# Allegro board reComputer Industrial J201_V1.2.brd (continued)
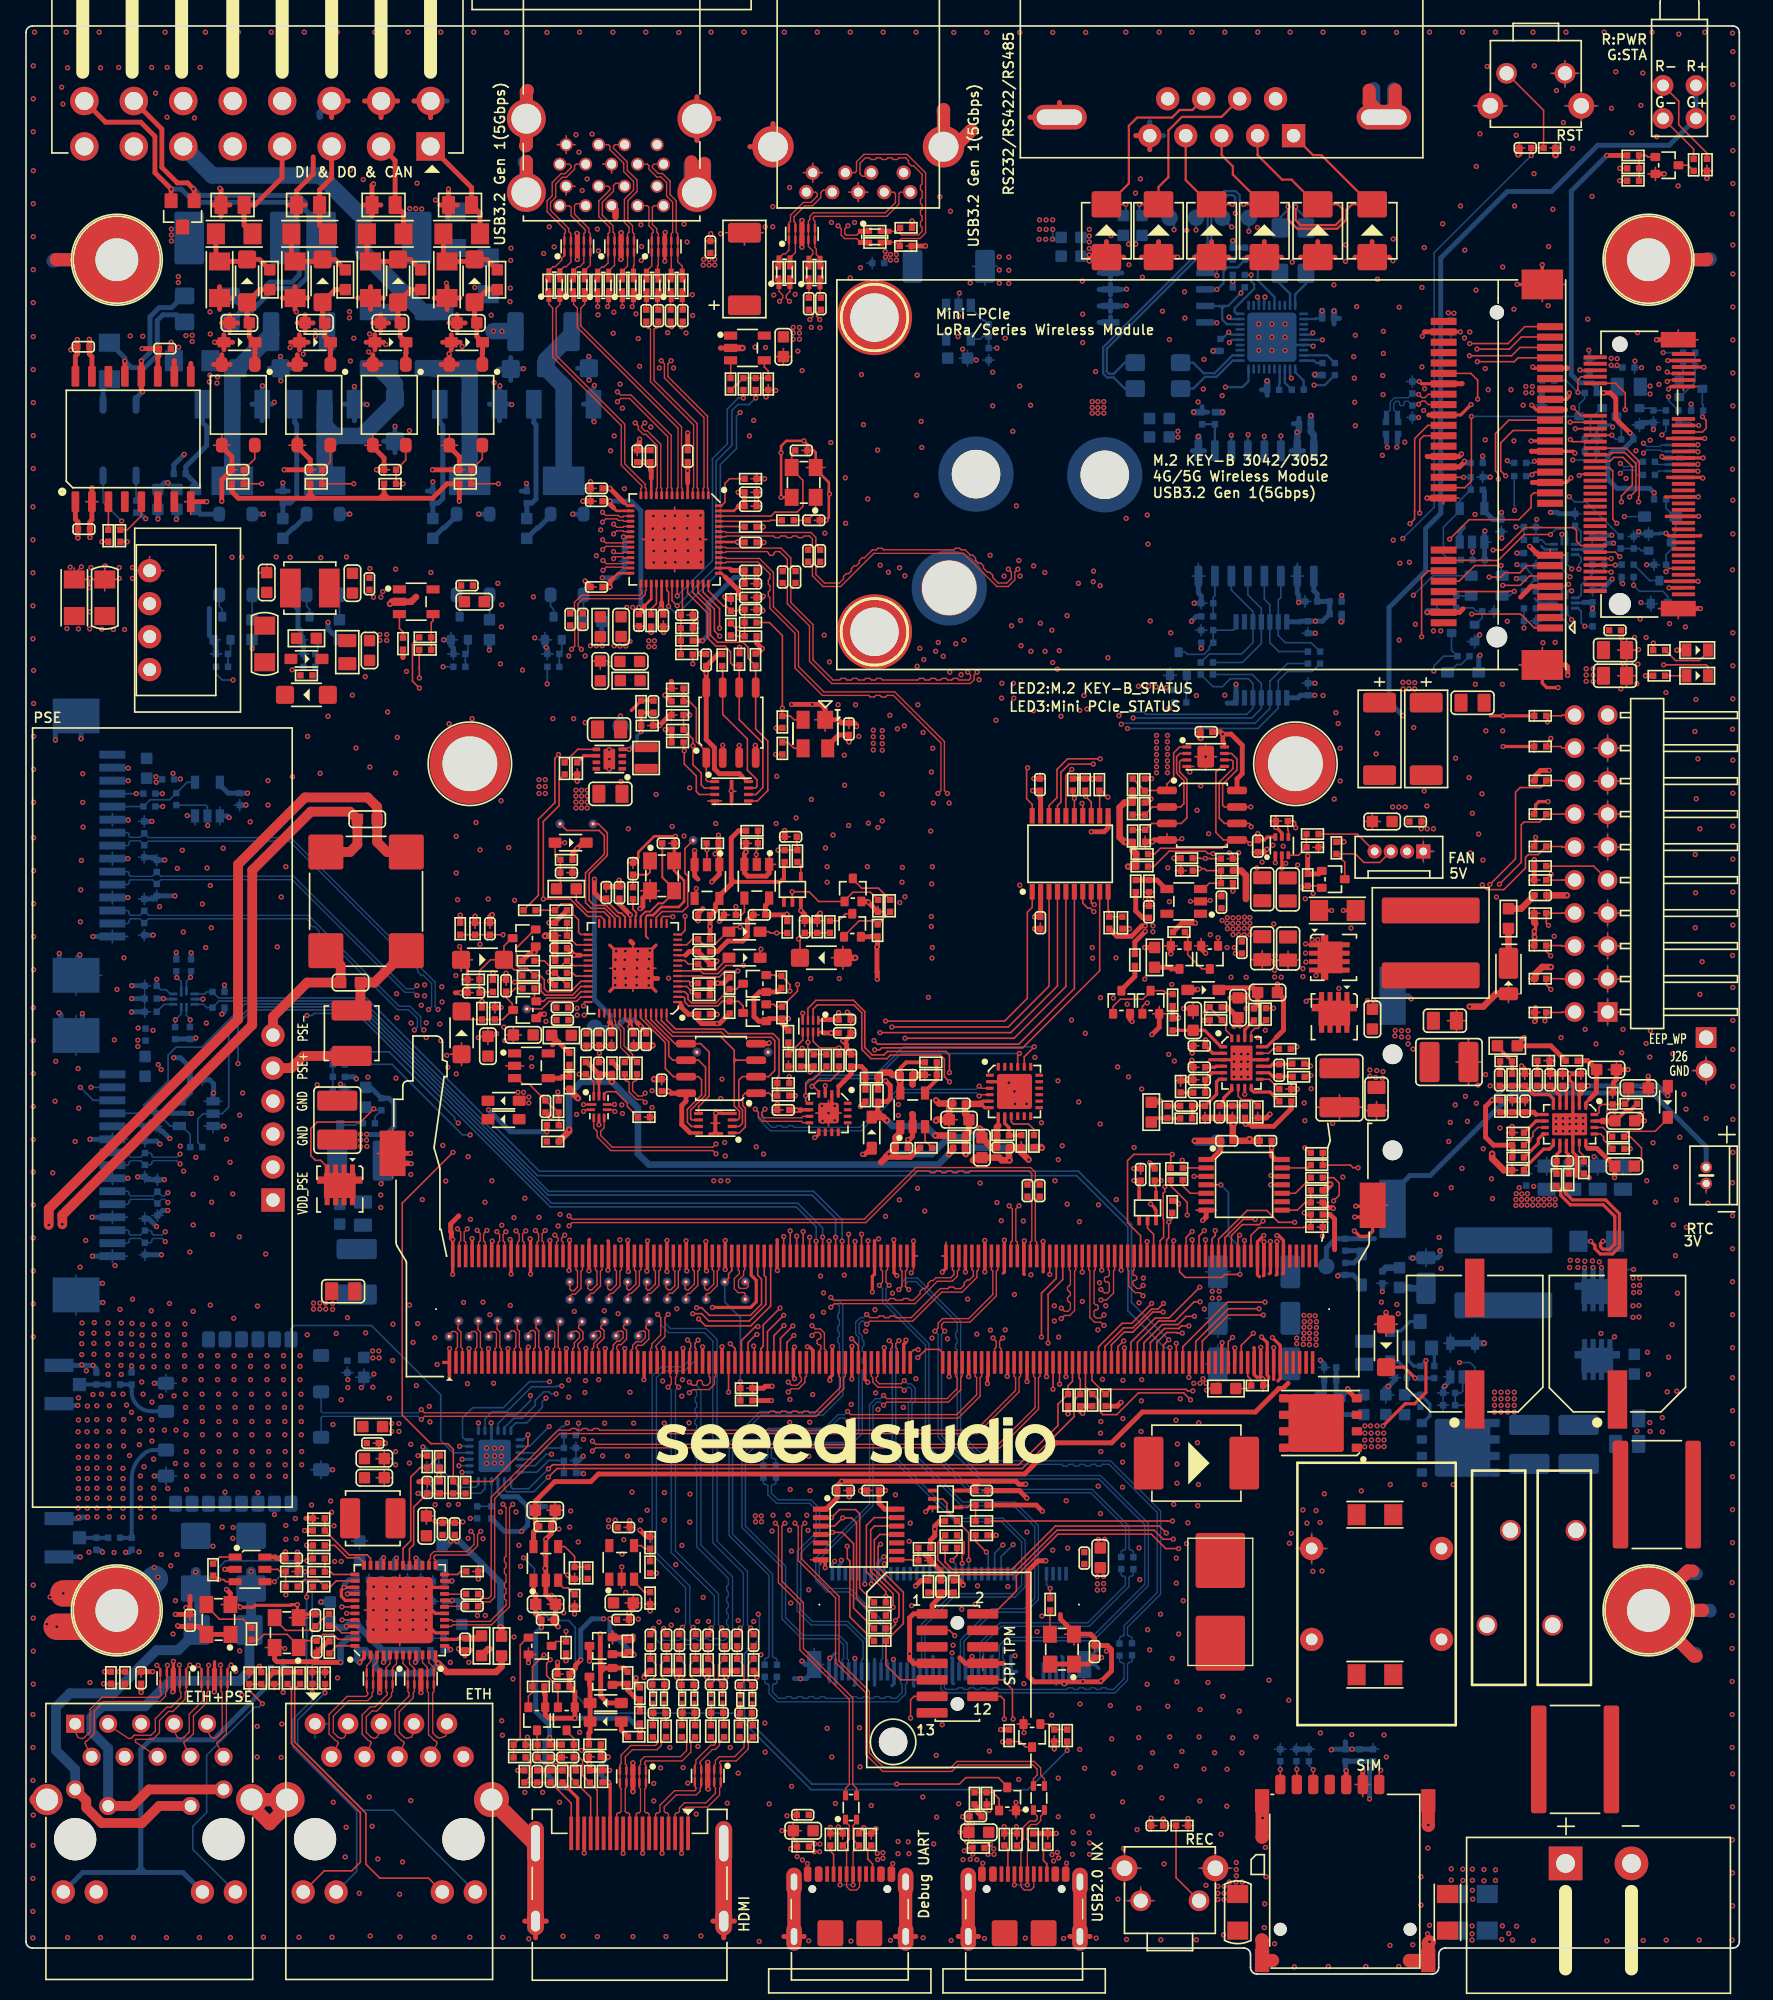
[diagram p0: board, top side]
## Routing (per net, layer and track width the routed paths; a pad name or vN(x,y) marks a point on that pad's centre or on a via; arc(x,y) is an arc through that point) (continued)
  TOP w0.508: R102.1 93.62,84.96 93.98,84.6 93.98,82.77
  LAY3 w0.254: v1(98.99,69.18) 98.61,69.18 98.35,69.44 98.35,70.56 99.17,71.37 99.17,75.64 100.84,77.31 100.84,81.63 100.59,81.88 v1(100.59,81.89)
  LAY4 w0.381: v1(11.69,26.82) 17.63,26.82 v1(20.02,29.2)
  PWR05 w0.381: v1(9.22,112.06) 9.22,110.59 13.64,106.17 14.94,106.17 ; 15.02,105.66 13.42,105.66 9.4,109.67 4.9,109.67 v1(4,110.57) ; v1(11.59,112.01) 11.59,108.91 13.85,106.65 14.94,106.65
  BOTTOM w0.127: v1(122.13,123.87) 122.3,123.7 C208.1
  BOTTOM w0.203: U51.21 36.36,37.1 36.71,36.75 ; 120,105.62 119.94,105.57 U46.9 ; U48.9 10.63,75.07 v1(10.59,75.11) ; U45.9 120,109.69
  BOTTOM w0.254: J21.18 v1(66.13,31.59) ; J21.16 65.63,31.66 v1(66.09,32.13) ; J21.2 62.13,31.62 v1(62.29,31.78) ; v1(62.82,31.86) 62.82,31.66 62.63,31.47 J21.4 ; J21.12 v1(64.63,30.02) ; J21.14 v1(65.13,30.03)
  BOTTOM w0.381: 8.49,7.82 4.37,7.82 J13.15 ; 8.49,7.82 8.84,8.17 ; 8.49,7.82 8.87,7.82 ; v1(42.96,38.53) 42.91,38.57 R380.1 ; v1(113.67,112.54) C293.1 113.03,111.99 112.36,112.66 U53.5 112.36,114.16 R325.1 ; R309.2 v1(112.23,116.89) ; v1(122.3,110.18) 121.78,110.18 121.3,109.69 C221.1 120,109.69 ; R412.1 25.3,69.08 v1(25.45,68.93) ; v1(15.09,73.91) 15.29,74.11 R362.1 ; J13.17 12.1,7.82 9.2,7.82 ; C271.1 24.89,30.36 24.51,29.98 v1(24.51,29.77) ; 8.84,8.17 8.84,7.84 8.87,7.82 ; 8.84,8.17 8.84,17.29 9.58,18.03 14.43,18.03 18.7,22.3 v1(18.7,22.91) 18.87,23.08 C183.1 ; 8.84,8.17 9.2,7.82 ; v1(9.22,112.06) 8.75,112.53 R318.1 ; R359.1 v1(11.58,78.66) ; v1(30.05,32.02) 30.41,31.66 C268.1 C269.1 ; C231.1 v1(10.59,75.11) ; v1(13.08,72.08) 13,71.99 R364.1 R365.1 ; v1(27.55,32.06) 27.37,31.88 C267.1 ; 8.87,7.82 9.2,7.82 ; v1(23.27,104.08) 23.27,103.55 23.57,103.25 23.65,103.25 R342.1 ; v1(17.07,90.93) C296.1 15.58,90.93 14.93,91.57 U55.5 ; 36.71,36.75 37.9,36.75 C260.1 38.65,34.55 v1(38.18,34.08) 36.86,34.08 R382.1 ; U56.5 12.01,67.2 12.65,67.84 C297.1 12.65,69.81 11.9,70.56 v1(11.38,70.56) ; v1(11.59,112.01) 11.63,112.05 R404.1 ; v1(31.83,38.43) 31.83,38.37 31.8,38.35 R384.1 ; v1(87.86,99.05) 88.05,98.87 R445.1 ; 120,105.62 C224.1 v1(120.69,105.15) R339.2 ; v1(17.43,102.08) 17.43,102.33 17.41,102.35 R343.1 ; R340.1 44.36,102.32 v1(44.4,102.28) ; R358.1 v1(12.72,78.64) ; R341.1 v1(35.7,101.94) ; R385.1 30.88,40.29 v1(30.59,40.58) ; R361.1 v1(15.29,76.15)
  vias: v1(8.61,71.9) v1(8.61,71.42) v1(10.01,92.2) v1(10.04,91.77) v1(23.78,31.77) v1(24.29,31.77) v1(26.7,47.98) v1(26.72,47.44) v1(27.18,47.98) v1(27.21,47.44) v1(43.49,102.28) v1(43.95,102.28) v1(44.89,34.95) v1(44.89,34.44) v1(45.39,34.95) v1(82.54,30.6) v1(82.54,30.04) v1(82.54,29.56) v1(83.02,30.63) v1(83.02,30.07) v1(83.02,29.59) v1(92.16,81.12) v1(92.56,81.35) v1(92.54,80.92) v1(92.56,80.49) v1(92.99,81.33) v1(92.97,80.89) v1(92.99,80.46) v1(92.99,80.03) v1(93.4,80.92) v1(93.43,81.35) v1(93.43,80.49) v1(93.43,80.03) v1(93.88,81.38) v1(93.86,80.94) v1(93.86,80.51) v1(93.86,80.03) v1(94.29,81.35) v1(94.29,80.92) v1(94.29,80.49) v1(94.29,80.03) v1(106.07,99.46) v1(106.1,98.95) v1(106.53,99.46) v1(106.56,98.95) v1(106.99,99.44) v1(106.99,98.95) v1(108.44,103.42) v1(109,103.42) v1(109.58,127.91) v1(110.01,127.88) v1(115.55,122.25) v1(115.55,121.76) v1(116.06,122.25) v1(116.03,121.76) v1(120.2,100.5) v1(120.2,100.02) v1(120.2,99.54) v1(120.73,100.5) v1(120.73,100.02) v1(120.73,99.54) v1(122.13,124.4) v1(122.58,124.38) v1(122.58,123.87)
VDD_5V0_HDMI_CON: length 23.9
  TOP w0.254: v1(41.71,14.35) 42.51,13.55 J16.18
  TOP w0.381: v1(41.71,14.35) 41.34,14.71 D50.2 ; R269.1 R268.1 v1(40.34,18.2) ; v1(39.71,26.68) C168.1 39.27,27.72 C164.1 39.27,29.23 39.1,29.41 U36.1
  BOTTOM w0.381: v1(39.71,26.68) 39.27,26.24 39.27,20.21 40.34,19.14 v1(40.34,18.2) 39.97,17.84 39.97,15.56 41.19,14.35 v1(41.71,14.35)
VDD_5V_BUS: length 16
  LAY3 w0.381: v1(86.62,104.19) 87.53,104.19 88.32,104.97 100.16,104.97 101.34,106.15 v1(101.36,106.15)
  BOTTOM w0.381: R334.1 v1(101.36,106.15)
  vias: v1(26.78,106.01) v1(27.33,106.01) v1(27.49,106.45)
VDD_5V_SYS: length 187.4
  TOP w0.254: v1(121.49,56.42) 121.48,56.42 121.3,56.24 121.3,55.99 121.48,55.81 122.01,55.81 122.41,56.21 122.41,58.34 121.52,59.23 118.98,59.23 118.24,59.96 118.24,60.37 R199.1 ; U17.1 v1(96.25,85.58)
  TOP w0.381: R442.1 R149.1 88.76,73.58 v1(88.8,73.63) ; 97.24,45.49 96.83,45.08 96.52,45.08 94.72,43.28 86.01,43.28 83.63,40.9 79.34,40.9 76.94,38.5 44.1,38.5 43.51,37.92 40.75,37.92 39.24,36.42 C154.1 39.24,34.76 C155.1 39.1,34.03 U36.5 ; R93.1 v1(101.54,87.18) ; U19.5 57.25,82.57 56.96,82.28 C85.1 58.58,81.56 v1(58.63,81.61) 58.65,81.58 R120.1 ; v1(115.42,72.11) 114.89,71.57 R157.1 117.47,71.47 R164.1 ; R124.1 89.05,80.92 v1(90.1,80.92) ; 100.82,55.77 100.82,58.14 100.47,58.48 R201.1 ; R138.1 v1(35.97,77.11)
  LAY3 w0.381: v1(60.51,90.44) 60.87,90.08 60.87,83.85 v1(58.63,81.61) ; v1(90.1,80.92) 89.64,80.46 89.64,76.27 88.43,75.06 88.43,74 v1(88.8,73.63)
  LAY4 w0.381: v1(99.17,83.21) 99.17,82.57 98.61,82.01 92.14,82.01 91.76,81.63 90.81,81.63 v1(90.1,80.92)
  PWR05 w0.152: 106.4,85.71 J7.2 106.4,87.17
  BOTTOM w0.254: R366.2 v1(121.49,56.42)
  BOTTOM w0.381: v1(106.07,96.9) 105.01,97.96 105.01,105.21 107.83,108.03 107.83,111.3 109.01,112.48 109.01,113.16 109,113.18 109,132.13 114.13,137.26 117.53,137.26 121.09,140.81 126.59,140.81 LED1.3 LED1.1
  vias: v1(37.9,67.89) v1(38.33,67.89) v1(38.74,67.53) v1(38.74,67.08) v1(39.53,91.97) v1(39.53,91.43) v1(39.53,90.9) v1(40.01,91.97) v1(40.01,91.43) v1(40.01,90.9) v1(42.37,91.16) v1(42.37,90.7) v1(42.37,90.24) v1(42.37,89.78) v1(42.8,91.16) v1(42.8,90.7) v1(42.8,90.24) v1(42.8,89.78) v1(43.23,91.16) v1(43.23,90.7) v1(43.23,90.24) v1(43.23,89.78) v1(59.11,126.79) v1(59.11,126.36) v1(59.11,125.88) v1(59.59,126.79) v1(59.59,126.36) v1(59.59,125.88) v1(65.28,95.78) v1(65.28,95.27) v1(65.28,94.76) v1(65.28,94.25) v1(65.97,95.75) v1(65.97,95.24) v1(65.97,94.74) v1(65.97,94.23) v1(87.1,95.37) v1(87.1,94.89) v1(87.1,94.38) v1(87.1,93.9) v1(87.1,93.42) v1(87.1,92.96) v1(87.1,92.5) v1(87.94,95.37) v1(87.94,94.89) v1(87.94,94.38) v1(87.94,93.9) v1(87.94,93.42) v1(87.94,92.96) v1(87.94,92.5) v1(97.9,48.97) v1(97.9,48.53) v1(98.4,48.48) v1(98.45,50.72) v1(98.48,50.24) v1(98.45,49.8) v1(98.45,49.35) v1(98.43,48.92) v1(98.89,50.69) v1(98.91,49.8) v1(98.89,49.35) v1(98.89,48.92) v1(98.89,48.46) v1(98.94,50.24) v1(99.32,50.69) v1(99.39,49.32) v1(99.39,48.89) v1(99.39,48.43) v1(99.42,50.24) v1(99.42,49.78) v1(105.29,89.86) v1(105.77,89.86) v1(106.25,89.86) v1(114.81,60.09) v1(114.79,59.63) v1(114.79,59.18) v1(115.04,60.55) v1(115.24,60.07) v1(115.22,59.63) v1(115.22,59.2) v1(115.68,60.09) v1(115.65,59.66) v1(115.65,59.2) v1(116.08,59.66) v1(116.08,59.2) v1(116.16,60.65) v1(116.51,59.66) v1(116.51,59.2) v1(116.95,59.66) v1(116.95,59.2) v1(117.38,59.68) v1(117.38,59.23) v1(117.81,59.66) v1(117.81,59.2)
VDD_DCIN: length 83.4
  TOP w0.127: 93.38,73.28 93.38,73.14 v1(93.53,72.99) ; 93.38,73.28 C97.1 ; 93.38,73.28 v1(93.07,72.97)
  TOP w0.254: U31.19 121.46,65.68
  TOP w0.305: R185.1 123.59,66.48 123.39,66.48 123.26,66.48 122.64,65.86 122.64,65.68
  TOP w0.381: v1(65.59,76.6) 65.59,77.12 65.56,77.15 v1(65.56,79.09) 65.61,79.14 R123.2 65.04,79.9 65.01,79.87 Q8.2 ; R144.1 v1(35.13,74.9) ; C97.1 92.58,74.44 R141.1
  TOP w0.508: C136.1 122.41,65.68 121.46,65.68
  LAY3 w0.381: v1(34.98,79.29) 34.98,75.05 v1(35.13,74.9)
  LAY4 w0.381: v1(93.07,72.97) 92.92,72.97 90.89,75 87,75 85.6,76.4 65.79,76.4 v1(65.59,76.6) ; v1(65.56,79.09) 65.04,79.09 65.04,79.09 62.18,79.09 61.4,78.3 55.3,78.3 54.21,79.4 35.6,79.4 35.5,79.29 v1(34.98,79.29)
  BOTTOM w0.127: 114.55,42.37 114.55,42.28
  BOTTOM w0.381: v1(26.24,64.66) 26.27,64.64 27.74,64.64 28.35,65.25 28.35,67.05 27.96,67.44 R410.1 26.55,68.27 C288.1
  vias: v1(25.78,64.66) v1(25.78,64.21) v1(25.78,63.72) v1(26.24,64.21) v1(26.27,63.72) v1(103.53,69.62) v1(103.53,69.13) v1(103.99,69.03) v1(104.07,69.57) v1(104.5,68.98) v1(104.55,69.49) v1(105.49,72.66) v1(105.46,72.23) v1(105.97,72.64) v1(105.97,72.16) v1(106.48,72.64) v1(106.48,72.13) v1(106.48,71.62) v1(106.86,71.22) v1(113.14,44.8) v1(113.14,44.29) v1(113.14,43.78) v1(113.14,43.28) v1(113.64,44.8) v1(113.64,44.29) v1(113.64,43.78) v1(113.64,43.28) v1(114.15,44.8) v1(114.15,44.29) v1(114.15,43.78) v1(114.15,43.28) v1(114.66,44.8) v1(114.66,44.29) v1(114.66,43.78) v1(114.66,43.28) v1(121.92,66.37) v1(122.38,66.37)
VDD_DO: length 37.4
  PWR05 w0.381: v1(10.93,114.83) 13.34,112.41 v1(18.29,112.41) v1(24.95,112.41) v1(34.88,112.41) v1(42.12,112.41)
  BOTTOM w0.381: Q36.4 v1(24.95,112.41) ; Q35.4 v1(34.88,112.41) ; Q34.4 v1(42.12,112.41) ; R404.2 11.45,114.31 v1(10.93,114.83) 10.69,114.83 R405.2 ; Q37.4 v1(18.29,112.41)
VDD_SIM: length 121.9
  TOP w0.381: J15.C5 v1(101.72,15.66)
  LAY3 w0.381: v1(103.51,13.48) 98.1,13.48 96.04,15.54 96.04,18.77 93.09,21.71 93.09,39.8 102.04,48.74 102.04,54.58 106.91,59.46 106.91,67.1 114.53,74.72 114.53,81.2 115.22,81.88 115.22,85.85 114.53,86.53 114.53,101.62 114.79,101.87 114.79,103.96 115.19,104.36 115.19,107.08 v1(114.82,107.45) 114.23,108.05 114.23,108.78 v1(114.86,109.42)
  BOTTOM w0.381: v1(103.51,13.48) 103.51,15.69 103.78,15.96 C285.1 C286.1 D90.2 101.66,15.71 v1(101.72,15.66) ; R332.1 v1(114.82,107.45) ; R328.2 v1(114.86,109.42)
VDD_TPM: length 21
  TOP w0.381: J11.7 68.38,23.92 68.08,24.23 v1(68.08,24.66) 68.08,27.43 68.38,27.73 J11.1 69.81,28.42 70.49,29.1 C146.2 ; C146.2 R432.2 ; C146.2 R433.2 ; R438.1 v1(75.09,18.82)
  LAY4 w0.381: v1(75.09,18.82) 74.72,19.19 74.72,19.34 69.4,24.66 v1(68.08,24.66)
VDD_VBUS_A: length 3.4
  LAY3 w0.635: 47.94,140.86 J4.1 48.62,140.18 ; J4.10 48.62,138.34 ; J4.10 47.94,137.66 ; J4.10 48.62,136.98
  vias: v1(52.2,132.02) v1(52.18,131.59) v1(52.63,132.02) v1(52.63,131.59) v1(53.06,132.02) v1(53.06,131.59)
VDD_VBUS_B: length 0.5
  BOTTOM w0.127: v1(66.22,132.2) 66.13,132.11 C203.1
  vias: v1(66.2,132.63) v1(66.6,132.41) v1(66.6,131.97) v1(67.06,132.41) v1(67.06,131.97)
5V_RS232/422/485: length 25
  LAY3 w0.508: v1(91.46,124.98) 91.01,125.43 91.01,127.77 92.98,129.74 v1(92.98,130.32) 92.97,130.33 v1(92.97,133.47)
  LAY4 w0.508: v1(91.46,124.98) 91.46,120.98 v1(92.18,120.26)
  BOTTOM w0.127: R304.2 88.73,118.35 v1(88.75,118.33)
  BOTTOM w0.178: U42.2 99.34,127.44 99.39,127.48 C205.2 ; U42.6 v1(99.88,125.84)
  BOTTOM w0.381: R393.1 v1(92.98,130.32) R394.1 ; v1(92.97,133.47) R391.1 92.97,132.93 R392.1
  BOTTOM w0.508: U44.16 99.22,118.52 98.99,118.74 C215.1 v1(98.99,119.99) ; R299.2 92.18,120.26 v1(92.18,120.26) ; C205.2 v1(99.85,128.06) ; R390.1 v1(91.46,124.98)
  vias: v1(88.75,118.79)
422_RX(B): length 5.5
  BOTTOM w0.178: U42.22 92.94,124.64 91.57,123.26 90.74,123.26 89.92,124.07 L28.1
422_RX-: length 29.1
  TOP w0.178: v1(92.94,136.27) D6.2 91.22,136.27 89.35,138.13 J1.4
  BOTTOM w0.178: v1(92.94,136.27) 93.17,136.49 93.17,136.8 92.99,136.98 92.59,136.98 91.32,135.71 91.32,133.19 83.27,125.14 83.27,123.39 83.44,123.21 83.79,123.21 84.66,124.07 L28.4
422_TX(B): length 2.8
  BOTTOM w0.178: L26.2 96.61,130.15 97.39,129.38 U42.39
422_TX-: length 19
  TOP w0.178: J1.1 99.16,140.05 99.8,140.05 103.59,136.27 ; v1(97.24,136.09) 97.24,135.1 97.95,134.39 101.02,134.39 101.73,135.1 101.73,135.83 102.16,136.27 103.59,136.27 ; D9.2 103.59,136.27
  BOTTOM w0.178: L26.3 96.61,135.23 97.24,135.86 v1(97.24,136.09)
1302_RST: length 9.5
  TOP w0.127: J5.22 v1(110.76,115.25)
  BOTTOM w0.127: v1(110.76,115.25) 111.29,115.25 C218.1 R325.2 110.46,113.45 U53.4 110.46,112.66 109.2,111.4 109.2,109.32 109.62,108.89 R315.1
ADC0: length 8.9
  TOP w0.127: D33.2 36.82,79.15 37.43,79.76 Q9.3 ; D33.2 37.6,77.32 37.8,77.32 R132.2 ; D33.2 35.79,78.1 34.94,77.25 R133.1 34.94,76.01 34.95,76 C96.1 35.39,75.56 35.45,75.63 R138.2
ADC2: length 7.5
  TOP w0.127: 37.47,74.24 37.47,74.72 36.99,75.2 C94.1 37.43,75.64 37.68,75.89 R139.2 ; 37.47,74.24 Q14.3 ; 37.47,74.24 36.73,73.5 R145.1 R144.2 34.18,73.5 D38.2
AUTO_ON_DIS: length 5.2
  TOP w0.127: J8.9 120.78,85.31 R397.2
BBAT: length 16.3
  TOP w0.254: v1(93.13,48.2) J9.235
  LAY4 w0.381: v1(93.13,48.2) 93.71,47.62 96.45,47.62 96.83,48 96.83,51.71 98.87,53.75 v1(101.06,53.75)
  BOTTOM w0.381: v1(101.06,53.75) 101.13,53.83 R367.1 102.24,53.83 102.91,53.16 D87.2
BBAT_CONN: length 37.3
  BOTTOM w0.381: TP48.1 100.18,55.9 100.9,56.62 R444.2 103.89,56.62 ; J12.2 129.45,63.69 125.3,67.84 114.53,67.84 108.18,61.48 106.63,61.48 105.29,60.14 J22.2
BG1: length 1.6
  TOP w0.127: U31.15 119.68,63.34 120.02,63 R196.1
BG2: length 1.6
  TOP w0.127: R150.1 96.08,71.24 95.74,70.9 U25.15
BG_DC1: length 11.3
  TOP w0.127: R196.2 120.1,61.63 v1(120.43,61.31)
  LAY3 w0.127: v1(120.43,61.31) 123.85,57.88 v1(123.85,54.25)
  BOTTOM w0.127: v1(123.85,54.25) 122.3,54.25 122.03,53.97 Q43.4
BG_DC2: length 7.1
  TOP w0.127: v1(97.92,71.39) 97.92,71.37 97.79,71.24 R150.2 ; v1(99.39,76.88) 99.39,76.89 Q12.4
  LAY3 w0.127: v1(97.92,71.39) 97.92,72.13 98.22,72.43 98.22,75.71 v1(99.39,76.88)
BMCU_ACOK: length 77.4
  TOP w0.127: C72.1 59.38,87.04 59.43,86.99 R96.1 58.9,86.55 58.89,86.54 R97.2 v1(57.94,86.54) ; U23.14 50.47,80.05 50.78,80.36 v1(50.78,81.45) ; J8.10 118.36,84.24 118.36,84.23 D27.2 117.12,84.3 v1(117.5,84.68)
  LAY3 w0.127: v1(50.78,81.45) 52.1,82.77 53.36,82.77 56.23,85.64 57.05,85.64 v1(57.94,86.54)
  LAY4 w0.127: v1(117.5,84.68) 117.05,85.14 98.33,85.14 97.51,84.32 87.58,84.32 86.06,85.85 58.65,85.85 57.96,86.54 v1(57.94,86.54)
BMCU_PGOOD: length 6.1
  TOP w0.127: R110.1 R111.2 41.24,82.39 41.96,82.39 42.16,82.2 42.16,81.59 42.57,81.17 42.57,80.21 42.74,80.05 U23.29
BMCU_POWER_EN: length 12.4
  TOP w0.127: U23.16 48.96,81.31 49.09,81.44 49.82,81.44 v1(49.84,81.41) ; U19.2 56.3,85.86 56.26,85.9 v1(56.26,86.2) 56.26,86.5 56.39,86.63 R91.1 56.39,87.59 56.4,87.59 R87.2
  LAY3 w0.127: v1(56.26,86.2) 53.06,83 51.43,83 v1(49.84,81.41)
BMCU_PWR_BTN*: length 4.7
  TOP w0.127: D31.1 54.11,78.25 53.14,77.29 52.26,77.29 R130.2 51.02,77.77 50.75,78.05 U23.9
BRD_ID_A0: length 7.3
  TOP w0.127: R83.1 86.64,91.12 86.65,91.13 U16.1 87.9,91.63 88.42,92.14 88.42,94.03 88.88,94.48 U15.1 ; R83.1 86.19,91.12 ; R83.1 85.83,91.49 85.81,91.49 R82.2
BRD_ID_A1: length 9
  TOP w0.127: U15.2 88.9,93.98 88.65,93.74 88.65,92.46 89.21,91.9 89.21,90.11 88.96,89.86 U16.2 86.79,89.86 R85.1 R84.2
BRD_ID_A2: length 9.7
  TOP w0.127: U15.3 89.02,93.48 88.88,93.34 88.88,92.55 89.44,91.99 89.44,89.02 89.01,88.59 U16.3 86.71,88.59 R88.1 85.72,88.11 85.7,88.09 R89.2
BRD_ID_WP: length 66.2
  TOP w0.127: R437.2 90.44,85.92 90.47,85.9 v1(90.86,85.9) 91.25,85.9 91.27,85.88 91.6,85.88 91.61,85.89 R98.1 ; U15.7 92.88,93.98 93.3,93.56 93.3,92.7 92.19,91.6 92.19,90.01 92.34,89.86 U16.7 v1(94.36,89.86)
  LAY3 w0.127: v1(94.36,89.86) 90.86,86.36 v1(90.86,85.9)
  LAY4 w0.127: J26.1 119.23,72.11 118.13,73.21 118.13,84.69 117.45,85.36 98.76,85.36 98.05,86.08 94.41,86.08 94.23,85.9 v1(90.86,85.9)
BST1: length 1.7
  TOP w0.127: U31.18 121.49,65.18 R191.1
BST2: length 1.7
  TOP w0.254: R147.1 93.9,72.71 U25.18
BT_DIS#: length 18.4
  LAY4 w0.127: v1(33.6,39.64) 33.32,39.92 31.29,39.92 29.37,37.99 21.01,37.99 20.1,37.08 v1(17.87,37.08)
  BOTTOM w0.127: U51.3 v1(33.6,39.64) ; U50.17 v1(17.87,37.08)
BT_EN: length 2.1
  BOTTOM w0.127: R296.2 R297.1 125.21,120.57 Q25.1
BUCK_3V3_EN: length 83.1
  TOP w0.127: v1(90.89,74.04) 90.91,74.06 90.91,74.19 91.17,74.44 R141.2 91.56,74.07 91.56,74.02 R148.1 92.43,73.15 92.43,72.68 92.9,72.22 U25.20 ; U20.4 51.51,83.26 51.64,83.38 v1(51.64,83.59) ; Q11.1 v1(91.84,79.8) ; U23.27 44.56,81.18 44.3,81.44 43.28,81.44 41.94,82.77 v1(39.86,82.77) 39.86,88.74 41.08,89.96 41.08,91.95 R77.1
  LAY3 w0.127: v1(91.84,79.8) 91.84,78.72 90.89,77.77 v1(90.89,74.04)
  LAY4 w0.127: v1(39.86,82.77) 40.29,82.77 43.34,85.82 48.95,85.82 51.18,83.59 v1(51.64,83.59) 53.6,81.63 56.09,81.63 57.13,80.59 65.23,80.59 65.76,80.06 82.86,80.06 83.39,79.52 91.56,79.52 v1(91.84,79.8)
BUCK_3V3_PG: length 125
  TOP w0.127: U22.3 90.72,83.55 91.17,83.99 R104.2 92.06,84.51 92.06,84.52 R102.2 90.95,84.96 90.8,85.11 v1(90.4,85.11) 90.25,84.96 R101.1 ; U25.9 v1(93.9,67.74) ; R76.1 v1(57.75,93.91) ; v1(41.02,93.9) 40.75,93.62 40.75,93.52 40.75,93.52 40.75,90.19 39.48,88.92 39.48,83.05 R110.2 ; v1(86.39,74.77) 86.27,74.77 86.01,74.51 Q50.1 ; v1(30.31,99.02) 29.78,99.55 29.78,102.41 R63.1
  LAY3 w0.127: v1(41.02,93.9) 42.14,95.02 56.65,95.02 v1(57.75,93.91) 61.6,90.06 v1(61.6,86.71) ; v1(93.9,67.74) 94.01,67.74 94.57,68.3 94.57,71.65 94.47,71.75 94.47,72.54 94.67,72.74 94.67,73.68 v1(94.01,74.34) 94.67,75 94.67,82.62 93.53,83.76 93.53,84.55 92.97,85.11 v1(90.4,85.11)
  LAY4 w0.127: v1(61.6,86.71) 87.02,86.71 88.62,85.11 v1(90.4,85.11) ; v1(41.02,93.9) 37.84,97.09 33.14,97.09 31.21,99.02 v1(30.31,99.02) ; v1(86.39,74.77) 88.27,72.89 91.77,72.89 92.08,72.58 93.63,72.58 94.01,72.96 v1(94.01,74.34)
BUCK_5V_PG: length 132
  TOP w0.127: U21.2 59.05,83.07 59.03,83.08 v1(59.03,83.33) 60.33,83.33 61.08,82.59 Q7.1 63.07,82.65 63.72,83.3 65.05,83.3 R109.1 ; v1(40.97,67.91) 41.03,67.85 R177.1 ; U31.9 116.48,65.18 116.11,64.82 116.11,64.52 v1(115.79,64.19) R192.2
  LAY3 w0.127: v1(117.73,79.9) 117.73,79.4 117.96,79.16 117.96,74.33 117.96,74.33 117.96,72.97 115.79,70.79 v1(115.79,64.19) ; v1(37.65,82.67) 38.08,82.24 38.08,70.19 40.35,67.91 v1(40.97,67.91)
  LAY4 w0.127: v1(37.65,82.67) 41.15,86.18 49.86,86.18 52.71,83.33 v1(59.03,83.33) 59.43,83.33 59.5,83.41 68.05,83.41 68.23,83.23 91.47,83.23 91.98,82.72 97.92,82.72 99.55,84.35 116.18,84.35 116.67,83.87 116.67,80.54 117.3,79.9 v1(117.73,79.9)
CAM0_I2C_SCL: length 20.4
  LAY3 w0.127: v1(7.88,91.89) 6.99,91 6.99,81.33 11.59,76.73 v1(11.61,76.73)
  BOTTOM w0.127: R359.2 11.58,76.76 v1(11.61,76.73) 11.66,76.73 11.96,76.43 U48.1 ; J20.13 v1(7.88,91.89)
CAM0_I2C_SDA: length 24.9
  LAY3 w0.127: v1(11.51,73.48) 11.51,76.27 6.61,81.17 6.61,91.59 v1(7.88,92.86)
  BOTTOM w0.127: v1(7.88,92.86) 7.65,92.86 7.62,92.89 J20.14 ; U48.7 11.96,73.93 v1(11.51,73.48) 11.49,73.45 R365.2
CAM0_MCLK: length 85.9
  TOP w0.127: J9.116 v1(61.38,56.74)
  LAY4 w0.127: v1(16.34,70.1) 13.21,70.1 8.94,74.37 8.94,90.44 v1(8.5,90.89)
  BOTTOM w0.127: v1(61.38,56.74) 61.38,57.44 59.47,59.35 40.49,59.35 25.61,74.24 17.39,74.24 16.34,73.18 v1(16.34,70.1) ; J20.12 8.11,90.89 v1(8.5,90.89) D71.2
CAM0_PWDN: length 84.3
  TOP w0.127: J9.114 v1(60.88,56.43)
  LAY4 w0.127: v1(14,88.44) 13.95,88.49 10.27,88.49 9.33,87.55 9.33,76.45 9.63,76.14 10.27,76.14 11.61,77.49 20.27,77.49 21.64,76.12 v1(21.64,73.81)
  BOTTOM w0.127: v1(14,88.44) 13.98,88.46 U55.2 13.98,89.87 13.85,90 R425.1 ; v1(60.88,56.43) 60.88,57.54 59.35,59.07 40.4,59.07 25.5,73.97 22.2,73.97 22.04,73.81 v1(21.64,73.81)
CAM0_PWDN_3V3: length 7.1
  BOTTOM w0.127: U55.4 12.42,91.76 R425.2 11.07,90.42 9.57,90.42 D72.2 7.86,89.9 7.85,89.89 J20.11
CAM1_I2C_SCL: length 18.2
  LAY3 w0.127: v1(12.68,76.75) 12.07,76.14 12.07,73.3 7.52,68.75 4.68,68.75 v1(4.19,68.27)
  BOTTOM w0.127: v1(4.19,68.27) 5.19,67.28 J23.13 ; R358.2 12.68,77.16 v1(12.68,76.75) 12.36,76.44 U48.2
CAM1_I2C_SDA: length 13.1
  LAY3 w0.127: v1(5.01,68.28) 7.45,68.28 v1(12.65,73.48)
  BOTTOM w0.127: J23.14 v1(5.01,68.28) ; R364.2 12.63,73.46 v1(12.65,73.48) 12.63,73.5 12.63,73.55 12.36,73.82 U48.6
CAM1_MCLK: length 70.9
  TOP w0.127: J9.122 v1(62.88,56.43)
  BOTTOM w0.127: J23.12 8.65,66.28 8.66,66.28 D79.2 9.1,66.92 10.95,68.78 10.95,70.76 11.56,71.37 13.54,71.37 16.87,74.7 25.84,74.7 40.26,60.27 60.68,60.27 62.88,58.08 v1(62.88,56.43)
CAM1_PWDN: length 68.2
  TOP w0.127: v1(62.38,56.72) J9.120
  BOTTOM w0.127: v1(62.38,56.72) 62.38,58.16 60.56,59.98 40.23,59.98 25.73,74.47 17.29,74.47 15.62,72.8 15.62,66.76 15.11,66.25 U56.2 13.65,66.25 13.24,65.83 13.24,64.03 13.58,63.69 R426.1
CAM1_PWDN_3V3: length 7.6
  BOTTOM w0.127: R426.2 12.65,64.65 12.01,65.29 U56.4 11.12,65.29 10.66,65.76 9.57,65.76 D80.2 8.66,65.29 8.65,65.28 J23.11
CAM_I2C_SCL: length 91.7
  TOP w0.127: v1(88.04,48.84) 87.63,48.42 J9.213
  BOTTOM w0.127: v1(88.04,48.84) 85.17,51.71 85.17,57.73 81.08,61.82 39.55,61.82 26.22,75.15 14.84,75.15 R361.2 13.93,75.62 13.77,75.47 U48.3
CAM_I2C_SDA: length 91.4
  TOP w0.127: v1(88.13,48.23) J9.215
  BOTTOM w0.127: v1(88.13,48.23) 87.73,48.23 84.89,51.07 84.89,57.53 80.94,61.48 39.41,61.48 25.96,74.92 14.88,74.92 R362.2 13.93,74.41 13.67,74.67 U48.5
CAM_MUX_OE*: length 1.5
  BOTTOM w0.127: U48.8 10.65,74.67 R363.1
CAM_MUX_SEL: length 84.9
  TOP w0.127: J9.130 v1(64.88,56.46)
  LAY3 w0.127: v1(64.88,56.46) 64.88,58.56 69.52,63.21 v1(69.52,75.2)
  LAY4 w0.127: v1(69.52,75.2) 69.5,75.18 44.38,75.18 41.76,77.8 11.28,77.8 v1(10.07,76.59)
  BOTTOM w0.127: v1(10.07,76.59) R360.1 10.37,75.8 10.79,75.8 11.12,75.47 U48.10
CAN_120R_EN: length 110.1
  LAY3 w0.127: v1(7.37,111.88) 8,111.88 9.27,110.61 25.02,110.61 29.82,105.81 29.82,99.82 29.57,99.56 29.57,92.35 34.14,87.78 34.14,67.81 32.91,66.58 32.91,64.37 33.43,63.85 43.46,63.85 43.87,63.44 43.87,55.21 42.57,53.92 42.57,53.07 42.15,52.65 41.05,52.65 40.09,51.68 40.09,50.1 39.22,49.24 39.22,44.9 v1(38.87,44.55)
  BOTTOM w0.127: U51.10 36.36,42.38 37.05,43.07 37.79,43.07 38.87,44.15 v1(38.87,44.55) ; Q27.2 5.94,113.31 v1(7.37,111.88)
CAN_H: length 11.4
  TOP w0.381: v1(7.62,124.2) U7.13
  BOTTOM w0.381: R290.1 6.44,125.61 7.62,124.43 v1(7.62,124.2) 8.13,123.69 9.15,123.69 10.11,124.66 10.11,127.33 10.54,127.76 11.58,127.76 12.12,127.21 L27.1
CAN_H_ISO: length 33.2
  TOP w0.381: D2.1 12.96,137.41 v1(12.91,137.46) 12.45,137.92 11.66,137.92 10.47,139.11 10.47,142.06 J2.14
  BOTTOM w0.381: L27.4 16.49,127.98 17.3,127.98 19.1,129.79 20.81,129.79 21.64,130.63 21.64,131.57 22.74,132.66 D95.2 22.74,134.61 21.52,135.83 21.52,136.42 20.98,136.95 13.42,136.95 v1(12.91,137.46)
CAN_L: length 10.6
  TOP w0.381: v1(8.89,124.21) U7.12 8.89,121.94 v1(8.99,121.84)
  BOTTOM w0.381: Q27.4 8.48,121.34 v1(8.99,121.84) ; v1(8.89,124.21) 9.55,124.88 9.55,127.6 10.27,128.32 11.23,128.32 12.12,129.21 L27.2
CAN_L_ISO: length 35
  TOP w0.381: J2.16 6.13,142.59 8.84,142.59 9.94,141.5 9.94,138.7 v1(11.21,137.43) 11.18,137.41 D2.2
  BOTTOM w0.381: v1(11.21,137.43) 11.97,137.43 12.98,136.42 20.67,136.42 20.94,136.15 20.94,135.62 19.94,134.61 D68.2 19.94,132.66 21.06,131.54 21.06,130.83 20.5,130.27 18.8,130.27 17.12,128.6 16.44,128.6 15.82,129.21 L27.3
CAN_RX: length 123.6
  TOP w0.127: J9.143 68.13,47.8 68.41,48.08 v1(68.74,48.08) ; R50.1 7.8,110.29 v1(7.8,110.28)
  LAY3 w0.127: v1(71.17,100.25) 71.17,99.86 71.15,99.83 71.15,96.48 71.78,95.85 71.78,57.15 68.86,54.23 68.86,48.6 68.74,48.47 v1(68.74,48.08)
  LAY4 w0.127: v1(71.17,100.25) 70.67,99.74 33.82,99.74 32.24,101.32 23.1,101.32 22.41,102 18.83,102 10.54,110.28 v1(7.8,110.28)
CAN_RXD: length 3.2
  TOP w0.127: R50.2 7.82,111.21 8.89,112.28 U7.5
CAN_TX: length 134.9
  TOP w0.127: v1(68.71,47.47) 69.34,48.1 70.35,48.1 70.63,47.83 J9.145 ; R51.1 v1(5.85,110.29)
  LAY3 w0.127: v1(68.71,47.47) 69.14,47.9 69.14,53.94 72.04,56.83 72.04,96.06 71.63,96.47 v1(71.63,102.43)
  LAY4 w0.127: v1(71.63,102.43) 71.1,102.96 70.31,102.96 66.71,106.56 63.63,106.56 57.58,100.52 52.26,100.52 51.71,99.97 33.91,99.97 32.34,101.54 23.19,101.54 22.41,102.33 19.05,102.33 10.67,110.71 6.27,110.71 v1(5.85,110.29)
CAN_TXD: length 2.2
  TOP w0.127: R51.2 6.34,111.65 6.35,111.66 U7.3
CC1_1: length 2.3
  TOP w0.127: J19.A5 75.65,9.63 R276.1
CC1_2: length 2.3
  TOP w0.127: R274.1 61.97,9.46 62.22,9.21 J18.A5
CC2_1: length 2.5
  TOP w0.127: R277.1 78.39,9.57 78.39,8.75 78.65,8.48 J19.B5
CC2_2: length 2.5
  TOP w0.127: J18.B5 65.22,8.48 64.85,8.86 64.85,9.63 R275.1
CCM/AAM_DC1: length 3.5
  TOP w0.254: 116.33,66.18 U31.7
  TOP w0.381: R187.2 R188.1 C135.1 116.16,66.36 116.33,66.18
CCM/AAM_DC2: length 3.8
  TOP w0.254: U25.7 92.9,68.07 92.28,67.46 92.28,67.18 C134.1 R178.1 R179.2
CH343_V3: length 7.9
  TOP w0.254: 59.72,66.54 U30.6
  TOP w0.381: 59.72,66.54 59.69,66.52 v1(59.38,66.52) 59.36,66.53 C133.1 ; R172.1 64.67,67.17 v1(64.29,66.8)
  LAY4 w0.381: v1(59.38,66.52) 60.15,66.52 61.34,67.71 63.38,67.71 v1(64.29,66.8)
